# KiCad board impeller18.kicad_pcb (continued)
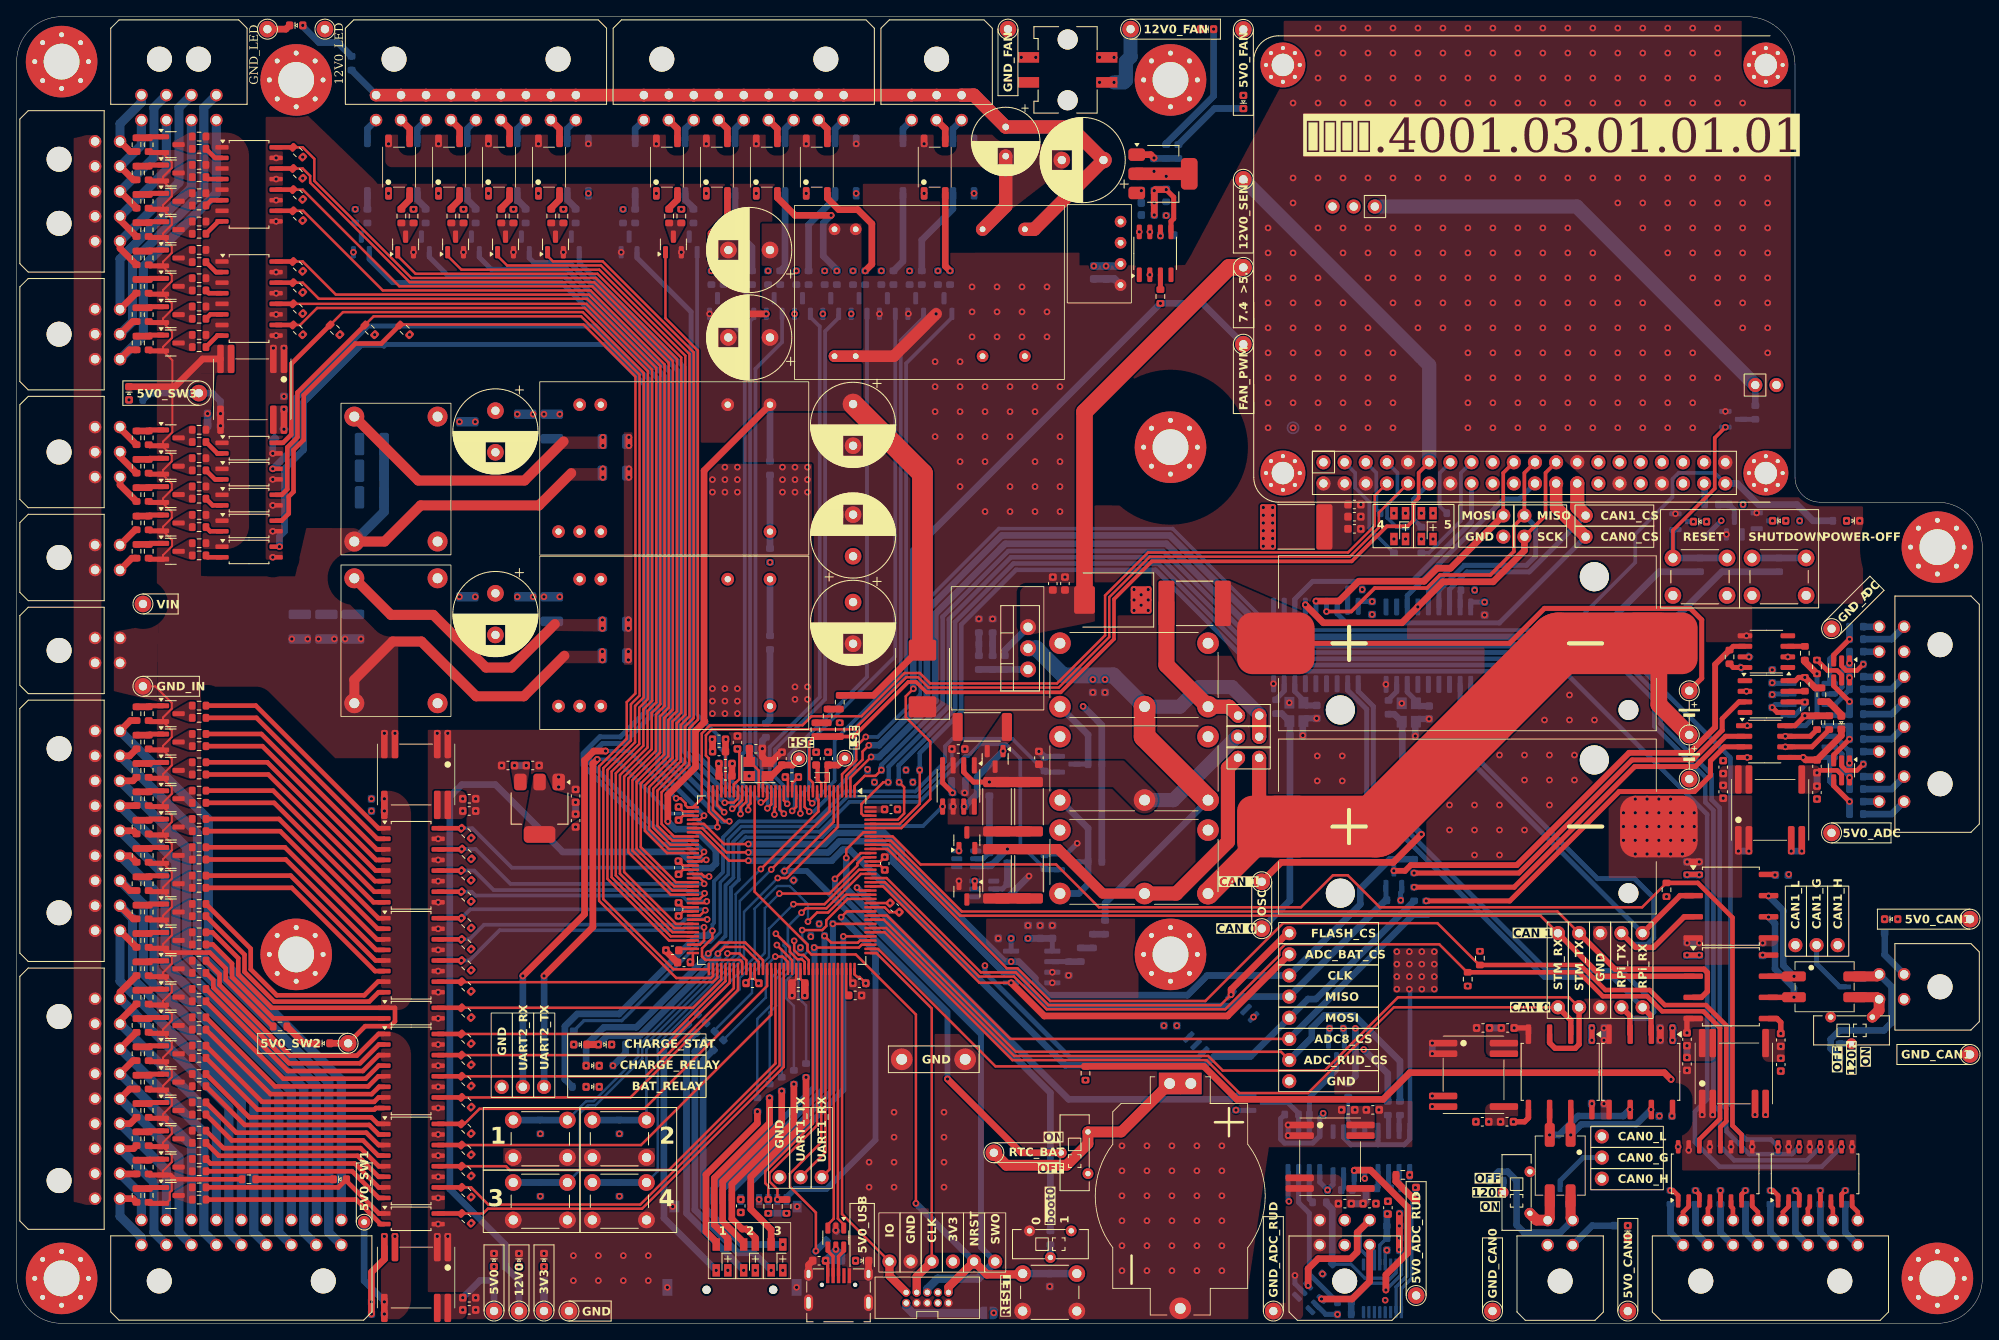
[diagram p0: board, top side]
## Placement (name value [footprint] x y rotation side) (continued)
R71  1M  [R_0603_1608Metric]  14.4 35.77 270 top
R72  1M  [R_0603_1608Metric]  14.4 66.4 270 top
R73  360k  [R_0603_1608Metric]  15.86 35.77 90 top
R74  10k  [R_0603_1608Metric]  54 31.62 315 top
R75  360k  [R_0603_1608Metric]  15.86 66.4 90 top
R76  10k  [R_0603_1608Metric]  54.04 56.37 315 top
R77  10k  [R_0603_1608Metric]  21.91 36.74 180 top
R78  10k  [R_0603_1608Metric]  21.91 67.37 180 top
R79  360  [R_0603_1608Metric]  21.91 35.28 0 top
R80  360  [R_0603_1608Metric]  21.91 65.9 0 top
R81  1M  [R_0603_1608Metric]  14.4 32.37 270 top
R82  1M  [R_0603_1608Metric]  14.4 63 270 top
R83  360k  [R_0603_1608Metric]  15.86 32.37 90 top
R84  10k  [R_0603_1608Metric]  54 29.08 315 top
R85  360k  [R_0603_1608Metric]  15.86 63 90 top
R86  10k  [R_0603_1608Metric]  54 53.78 315 top
R87  10k  [R_0603_1608Metric]  21.91 33.34 180 top
R88  10k  [R_0603_1608Metric]  21.91 63.96 180 top
R89  360  [R_0603_1608Metric]  21.91 31.87 0 top
R90  360  [R_0603_1608Metric]  21.91 62.5 0 top
R91  1M  [R_0603_1608Metric]  14.4 28.97 270 top
R92  1M  [R_0603_1608Metric]  14.4 59.59 270 top
R93  360k  [R_0603_1608Metric]  15.86 28.97 90 top
R94  10k  [R_0603_1608Metric]  54 26.54 315 top
R95  360k  [R_0603_1608Metric]  15.86 59.59 90 top
R96  10k  [R_0603_1608Metric]  54 51.24 315 top
R97  10k  [R_0603_1608Metric]  21.91 29.94 180 top
R98  10k  [R_0603_1608Metric]  21.91 60.56 180 top
R99  360  [R_0603_1608Metric]  21.91 28.47 0 top
R100  360  [R_0603_1608Metric]  21.91 59.1 0 top
R101  1M  [R_0603_1608Metric]  14.4 25.57 270 top
R102  1M  [R_0603_1608Metric]  14.4 56.19 270 top
R103  360k  [R_0603_1608Metric]  15.86 25.57 90 top
R104  10k  [R_0603_1608Metric]  54 23.36 315 top
R105  360k  [R_0603_1608Metric]  15.86 56.19 90 top
R106  10k  [R_0603_1608Metric]  54 48.06 315 top
R107  10k  [R_0603_1608Metric]  21.91 26.54 180 top
R108  10k  [R_0603_1608Metric]  21.91 57.16 180 top
R109  360  [R_0603_1608Metric]  21.91 25.07 0 top
R110  360  [R_0603_1608Metric]  21.91 55.7 0 top
R111  1M  [R_0603_1608Metric]  14.4 22.17 270 top
R112  1M  [R_0603_1608Metric]  14.4 52.79 270 top
R113  360k  [R_0603_1608Metric]  15.86 22.17 90 top
R114  10k  [R_0603_1608Metric]  54 20.82 315 top
R115  360k  [R_0603_1608Metric]  15.86 52.79 90 top
R116  10k  [R_0603_1608Metric]  54 45.52 315 top
R117  10k  [R_0603_1608Metric]  21.91 23.13 180 top
R118  10k  [R_0603_1608Metric]  21.91 53.76 180 top
R119  360  [R_0603_1608Metric]  21.91 21.67 0 top
R120  360  [R_0603_1608Metric]  21.91 52.29 0 top
R121  1M  [R_0603_1608Metric]  14.4 18.76 270 top
R122  1M  [R_0603_1608Metric]  14.4 49.39 270 top
R123  360k  [R_0603_1608Metric]  15.86 18.76 90 top
R124  10k  [R_0603_1608Metric]  54 18.28 315 top
R125  360k  [R_0603_1608Metric]  15.86 49.39 90 top
R126  10k  [R_0603_1608Metric]  54 42.98 315 top
R127  10k  [R_0603_1608Metric]  21.91 19.73 180 top
R128  10k  [R_0603_1608Metric]  21.91 50.36 180 top
R129  360  [R_0603_1608Metric]  21.91 18.27 0 top
R130  360  [R_0603_1608Metric]  21.91 48.89 0 top
R131  1M  [R_0603_1608Metric]  14.4 15.36 270 top
R132  1M  [R_0603_1608Metric]  14.4 45.99 270 top
R133  360k  [R_0603_1608Metric]  15.86 15.36 90 top
R134  10k  [R_0603_1608Metric]  54 15.74 315 top
R135  360k  [R_0603_1608Metric]  15.86 45.99 90 top
R136  10k  [R_0603_1608Metric]  54 40.44 315 top
R137  10k  [R_0603_1608Metric]  21.91 16.33 180 top
R138  10k  [R_0603_1608Metric]  21.91 46.95 180 top
R139  360  [R_0603_1608Metric]  21.91 14.86 0 top
R140  360  [R_0603_1608Metric]  21.91 45.49 0 top
R141  10k  [R_0603_1608Metric]  54 12.6 315 top
R142  10k  [R_0603_1608Metric]  54 37.3 315 top
R143  360  [R_0603_1608Metric]  27.89 17.3 0 top
R144  360  [R_0603_1608Metric]  31.63 35.65 0 top
R145  1M  [R_0603_1608Metric]  14.4 141.53 270 top
R146  360k  [R_0603_1608Metric]  15.86 141.53 90 top
R147  10k  [R_0603_1608Metric]  21.91 142.5 180 top
R148  360  [R_0603_1608Metric]  21.91 141.03 0 top
R149  1M  [R_0603_1608Metric]  14.4 138.13 270 top
R150  360k  [R_0603_1608Metric]  15.86 138.13 90 top
R151  10k  [R_0603_1608Metric]  33.77 140.62 315 top
R152  10k  [R_0603_1608Metric]  21.91 139.1 180 top
R153  360  [R_0603_1608Metric]  21.91 137.63 0 top
R154  1M  [R_0603_1608Metric]  14.4 134.73 270 top
R155  360k  [R_0603_1608Metric]  15.86 134.73 90 top
R156  10k  [R_0603_1608Metric]  33.77 138.08 315 top
R157  10k  [R_0603_1608Metric]  21.91 135.7 180 top
R158  360  [R_0603_1608Metric]  21.91 134.23 0 top
R159  1M  [R_0603_1608Metric]  14.4 131.33 270 top
R160  360k  [R_0603_1608Metric]  15.86 131.33 90 top
R161  10k  [R_0603_1608Metric]  33.77 135.54 315 top
R162  10k  [R_0603_1608Metric]  21.91 132.3 180 top
R163  360  [R_0603_1608Metric]  21.91 130.83 0 top
R164  1M  [R_0603_1608Metric]  14.4 127.93 270 top
R165  360k  [R_0603_1608Metric]  15.86 127.93 90 top
R166  10k  [R_0603_1608Metric]  33.77 133 315 top
R167  10k  [R_0603_1608Metric]  21.91 128.89 180 top
R168  360  [R_0603_1608Metric]  14.32 110.89 0 bottom
R169  360  [R_0603_1608Metric]  21.91 127.43 0 top
R170  1M  [R_0603_1608Metric]  14.4 124.52 270 top
R171  360k  [R_0603_1608Metric]  15.86 124.52 90 top
R172  10k  [R_0603_1608Metric]  33.77 126.92 315 top
R173  10k  [R_0603_1608Metric]  21.91 125.49 180 top
R174  360  [R_0603_1608Metric]  21.91 124.03 0 top
R175  1M  [R_0603_1608Metric]  14.4 121.12 270 top
R176  360k  [R_0603_1608Metric]  15.86 121.12 90 top
R177  10k  [R_0603_1608Metric]  33.77 124.38 315 top
R178  10k  [R_0603_1608Metric]  21.91 122.09 180 top
R179  360  [R_0603_1608Metric]  21.91 120.62 0 top
R180  1M  [R_0603_1608Metric]  14.4 117.72 270 top
R181  360k  [R_0603_1608Metric]  15.86 117.72 90 top
R182  10k  [R_0603_1608Metric]  33.77 121.84 315 top
R183  10k  [R_0603_1608Metric]  21.91 118.68 180 top
R184  360  [R_0603_1608Metric]  21.91 117.22 0 top
R185  10k  [R_0603_1608Metric]  33.77 119.3 315 top
R186  1M  [R_0603_1608Metric]  14.4 96.11 270 top
R187  360k  [R_0603_1608Metric]  15.86 96.11 90 top
R188  10k  [R_0603_1608Metric]  21.91 97.07 180 top
R189  360  [R_0603_1608Metric]  21.91 95.61 0 top
R190  1M  [R_0603_1608Metric]  14.4 92.7 270 top
R191  360k  [R_0603_1608Metric]  15.86 92.7 90 top
R192  10k  [R_0603_1608Metric]  46.6 119.3 315 top
R193  10k  [R_0603_1608Metric]  21.91 93.67 180 top
R194  360  [R_0603_1608Metric]  21.91 92.21 0 top
R195  10k  [R_0603_1608Metric]  43.58 118.13 135 bottom
R196  1M  [R_0603_1608Metric]  14.4 99.52 270 top
R197  360k  [R_0603_1608Metric]  15.86 99.52 90 top
R198  10k  [R_0603_1608Metric]  21.91 100.49 180 top
R199  360  [R_0603_1608Metric]  21.91 99.02 0 top
R200  1M  [R_0603_1608Metric]  14.4 102.92 270 top
R201  360k  [R_0603_1608Metric]  15.86 102.92 90 top
R202  10k  [R_0603_1608Metric]  42.42 119.3 315 top
R203  10k  [R_0603_1608Metric]  21.91 103.89 180 top
R204  360  [R_0603_1608Metric]  21.91 102.42 0 top
R205  1M  [R_0603_1608Metric]  14.4 106.32 270 top
R206  360k  [R_0603_1608Metric]  15.86 106.32 90 top
R207  10k  [R_0603_1608Metric]  39.4 118.13 135 bottom
R208  10k  [R_0603_1608Metric]  21.91 107.29 180 top
R209  360  [R_0603_1608Metric]  21.91 105.83 0 top
R210  10k  [R_0603_1608Metric]  38.23 119.3 315 top
R211  10k  [R_0603_1608Metric]  40.66 132.95 270 bottom
R212  220  [R_0603_1608Metric]  42.12 132.95 90 bottom
R213  10k  [R_0603_1608Metric]  72.82 132.95 270 bottom
R214  10k  [R_0603_1608Metric]  103.84 125.55 270 bottom
R215  220  [R_0603_1608Metric]  74.28 132.95 90 bottom
R216  10k  [R_0603_1608Metric]  47.66 132.95 270 top
R217  220  [R_0603_1608Metric]  105.3 125.55 90 bottom
R218  220  [R_0603_1608Metric]  46.2 132.95 90 top
R219  10k  [R_0603_1608Metric]  79.82 132.95 270 top
R220  10k  [R_0603_1608Metric]  110.64 125.55 270 bottom
R221  220  [R_0603_1608Metric]  78.36 132.95 90 top
R222  10k  [R_0603_1608Metric]  47.66 132.95 270 bottom
R223  220  [R_0603_1608Metric]  112.1 125.55 90 bottom
R224  220  [R_0603_1608Metric]  49.12 132.95 90 bottom
R225  10k  [R_0603_1608Metric]  79.82 132.95 270 bottom
R226  10k  [R_0603_1608Metric]  107.24 125.55 270 bottom
R227  220  [R_0603_1608Metric]  81.28 132.95 90 bottom
R228  10k  [R_0603_1608Metric]  53.66 132.95 270 top
R229  220  [R_0603_1608Metric]  108.7 125.55 90 bottom
R230  220  [R_0603_1608Metric]  52.2 132.95 90 top
R231  10k  [R_0603_1608Metric]  83.44 125.55 270 bottom
R232  220  [R_0603_1608Metric]  84.9 125.55 90 bottom
R233  10k  [R_0603_1608Metric]  53.66 132.95 270 bottom
R234  220  [R_0603_1608Metric]  55.12 132.95 90 bottom
R235  10k  [R_0603_1608Metric]  86.84 125.55 270 bottom
R236  220  [R_0603_1608Metric]  88.3 125.55 90 bottom
R237  10k  [R_0603_1608Metric]  59.66 132.95 270 top
R238  220  [R_0603_1608Metric]  58.2 132.95 90 top
R239  10k  [R_0603_1608Metric]  97.04 125.55 270 bottom
R240  220  [R_0603_1608Metric]  98.5 125.55 90 bottom
R241  10k  [R_0603_1608Metric]  59.66 132.95 270 bottom
R242  220  [R_0603_1608Metric]  61.12 132.95 90 bottom
R243  10k  [R_0603_1608Metric]  90.24 125.55 270 bottom
R244  220  [R_0603_1608Metric]  91.7 125.55 90 bottom
R245  10k  [R_0603_1608Metric]  65.66 132.95 270 top
R246  220  [R_0603_1608Metric]  64.2 132.95 90 top
R247  10k  [R_0603_1608Metric]  100.44 125.55 270 bottom
R248  220  [R_0603_1608Metric]  101.9 125.55 90 bottom
R249  10k  [R_0603_1608Metric]  65.66 132.95 270 bottom
R250  220  [R_0603_1608Metric]  67.12 132.95 90 bottom
R251  10k  [R_0603_1608Metric]  93.64 125.55 270 bottom
R252  220  [R_0603_1608Metric]  95.1 125.55 90 bottom
R253  470  [R_0603_1608Metric]  40.21 151.32 90 bottom
R254  360  [R_0603_1608Metric]  216.74 75.47 90 top
R255  1k  [R_0603_1608Metric]  214.76 73.78 270 top
R256  1k  [R_0603_1608Metric]  216.21 78.82 90 top
R257  1k  [R_0603_1608Metric]  216.22 72.13 90 top
R258  1k  [R_0603_1608Metric]  217.68 72.13 90 top
R259  10k  [R_0603_1608Metric]  214.75 76.74 270 top
R260  180  [R_0603_1608Metric]  167.83 54.9 90 bottom
R261  180  [R_0603_1608Metric]  167.83 51.55 270 bottom
R262  180  [R_0603_1608Metric]  169.29 49.9 90 bottom
R263  1M  [R_0603_1608Metric]  220.95 65.65 180 bottom
R264  1M  [R_0603_1608Metric]  220.95 71.65 180 bottom
R265  1M  [R_0603_1608Metric]  220.95 77.65 180 bottom
R266  1M  [R_0603_1608Metric]  220.95 83.65 180 bottom
R267  1M  [R_0603_1608Metric]  220.95 80.65 180 bottom
R268  1M  [R_0603_1608Metric]  220.95 74.65 180 bottom
R269  1M  [R_0603_1608Metric]  220.95 68.65 180 bottom
R270  1M  [R_0603_1608Metric]  220.95 62.65 180 bottom
R271  200k  [R_0603_1608Metric]  220.95 64.15 0 bottom
R272  200k  [R_0603_1608Metric]  220.95 70.15 0 bottom
R273  200k  [R_0603_1608Metric]  220.95 76.15 0 bottom
R274  200k  [R_0603_1608Metric]  220.95 82.15 0 bottom
R275  200k  [R_0603_1608Metric]  220.95 79.15 0 bottom
R276  200k  [R_0603_1608Metric]  220.95 73.15 0 bottom
R277  200k  [R_0603_1608Metric]  220.95 67.15 0 bottom
R278  200k  [R_0603_1608Metric]  220.95 61.15 0 bottom
R279  10k  [R_0603_1608Metric]  207.56 79.39 53.2 bottom
R280  10k  [R_0603_1608Metric]  205.71 80.02 90 top
R281  10k  [R_0603_1608Metric]  165.39 50.8 180 bottom
R282  470  [R_0603_1608Metric]  214.75 80.47 270 top
R283  360  [R_0603_1608Metric]  166.48 17.82 180 top
R284  1k  [R_0603_1608Metric]  167.16 16.21 0 bottom
R285  1k  [R_0603_1608Metric]  159.45 1.07 180 bottom
R286  1k  [R_0603_1608Metric]  161.22 16.01 0 bottom
R287  1k  [R_0603_1608Metric]  164.18 16.21 180 bottom
R288  1k  [R_0603_1608Metric]  157.41 6.53 225 bottom
R289  10k  [R_0603_1608Metric]  158.26 16.01 180 bottom
R290  180  [R_0603_1608Metric]  159.91 27.99 270 bottom
R291  180  [R_0603_1608Metric]  164.67 25.82 90 bottom
R292  180  [R_0603_1608Metric]  166.13 25.82 270 bottom
R293  10k  [R_0603_1608Metric]  156.08 25.07 180 bottom
R294  10k  [R_0603_1608Metric]  158.5 35.42 0 bottom
R295  360  [R_0603_1608Metric]  156.46 14.53 0 bottom
R296  10k  [R_0603_1608Metric]  153.12 25.07 0 bottom
R297  10k  [R_0603_1608Metric]  146.44 26.43 90 bottom
R298  360  [R_0603_1608Metric]  159.45 2.53 180 bottom
R299  390  [R_0603_1608Metric]  219.62 15.13 90 bottom
R300  10k  [R_0603_1608Metric]  107.63 66.44 180 bottom
R301  390  [R_0603_1608Metric]  216.62 15.13 90 bottom
R302  10k  [R_0603_1608Metric]  106.81 64.98 0 bottom
R303  390  [R_0603_1608Metric]  213.62 15.13 90 bottom
R304  10k  [R_0603_1608Metric]  103.85 64.98 180 bottom
R305  390  [R_0603_1608Metric]  210.62 15.13 90 bottom
R306  10k  [R_0603_1608Metric]  103.02 66.44 180 bottom
R307  390  [R_0603_1608Metric]  207.62 15.13 90 bottom
R308  10k  [R_0603_1608Metric]  198.14 52.06 270 top
R309  390  [R_0603_1608Metric]  204.62 15.13 90 bottom
R310  10k  [R_0603_1608Metric]  175.73 43.85 90 top
R311  390  [R_0603_1608Metric]  201.62 15.13 90 bottom
R312  10k  [R_0603_1608Metric]  174.27 41.33 270 top
R313  390  [R_0603_1608Metric]  198.62 15.13 90 bottom
R314  10k  [R_0603_1608Metric]  128.36 30.03 270 top
R315  220  [R_0603_1608Metric]  90.42 27.9 90 bottom
R316  220  [R_0603_1608Metric]  84.28 33.42 45 bottom
R317  220  [R_0603_1608Metric]  88.96 26.25 90 bottom
R318  220  [R_0603_1608Metric]  94.8 30.37 90 bottom
R319  10k  [R_0603_1608Metric]  102.56 41.42 45 bottom
R320  10k  [R_0603_1608Metric]  92.46 14.04 90 top
R321  10k  [R_0603_1608Metric]  90.27 14.04 90 top
R322  10k  [R_0603_1608Metric]  97.2 47.97 0 bottom
R323  10k  [R_0603_1608Metric]  96.2 46.51 0 bottom
R324  10k  [R_0603_1608Metric]  94.95 45.05 0 bottom
R325  220  [R_0603_1608Metric]  81.18 36.52 45 bottom
R326  220  [R_0603_1608Metric]  83.25 34.46 45 bottom
R327  220  [R_0603_1608Metric]  93.34 29.55 90 bottom
R329  220  [R_0603_1608Metric]  91.88 28.72 90 bottom
R331  220  [R_0603_1608Metric]  82.22 35.49 45 bottom
R333  10k  [R_0603_1608Metric]  96.57 8.1 135 bottom
R334  10k  [R_0603_1608Metric]  97.85 10.54 45 bottom
R335  10k  [R_0603_1608Metric]  138.06 133.85 90 bottom
R336  10k  [R_0603_1608Metric]  138.19 130.66 0 bottom
R337  220  [R_0603_1608Metric]  137.36 123.3 90 top
R338  470  [R_0603_1608Metric]  138.06 140.71 90 bottom
R339  360  [R_0603_1608Metric]  139.52 140.71 90 bottom
R340  220  [R_0603_1608Metric]  70.79 30.94 0 bottom
R341  220  [R_0603_1608Metric]  67.56 28.4 0 bottom
R342  360  [R_0603_1608Metric]  99.93 7.52 180 bottom
R343  10k  [R_0603_1608Metric]  202.16 91.07 90 bottom
R344  220  [R_0603_1608Metric]  218.94 96.36 0 bottom
R345  220  [R_0603_1608Metric]  202.95 95.44 90 bottom
R346  0  [R_0603_1608Metric]  115.56 83.76 90 bottom
R347  100  [R_0603_1608Metric]  208.8 109.38 270 bottom
R348  DNP  [R_0603_1608Metric]  117.21 79.34 90 bottom
R349  10k  [R_0603_1608Metric]  211.66 91.07 90 bottom
R350  220  [R_0603_1608Metric]  213.31 96.36 180 bottom
R351  DNP  [R_0603_1608Metric]  117.21 83.76 90 bottom
R352  DNP  [R_0603_1608Metric]  116.38 81.55 180 bottom
R353  100  [R_0603_1608Metric]  203.55 98.32 0 bottom
R354  10k  [R_0603_1608Metric]  206.51 98.32 0 bottom
SW1  B3F1060  [SW_PUSH_6mm_H5mm]  120.82 5.97 0 top
SW2  -  [MSS-12D16]  124.15 9.51 270 top
SW3  -  [MSS-12D16]  127.06 20.48 180 top
SW4  B3F1060  [SW_PUSH_6mm_H5mm]  59.64 24.41 0 top
SW5  B3F1060  [SW_PUSH_6mm_H5mm]  69.14 24.41 0 top
SW6  B3F1060  [SW_PUSH_6mm_H5mm]  59.64 16.91 0 top
SW7  B3F1060  [SW_PUSH_6mm_H5mm]  69.14 16.91 0 top
SW8  -  [MSS-12D16]  180.14 15.71 180 top
SW9  -  [MSS-12D16]  220.36 35.18 270 top
SW11  B3F1060  [SW_PUSH_6mm_H5mm]  198.91 91.9 0 top
SW13  B3F1060  [SW_PUSH_6mm_H5mm]  208.41 91.9 0 top
TP1  TestPoint  [TestPoint_THTPad_D1.5mm_Drill0.7mm]  99.47 67.86 180 top
TP2  TestPoint  [TestPoint_THTPad_D1.5mm_Drill0.7mm]  93.96 67.81 180 top
TP3  TestPoint  [TestPoint_THTPad_D2.0mm_Drill1.0mm]  117.36 20.48 0 top
TP4  TestPoint  [TestPoint_THTPad_D2.0mm_Drill1.0mm]  15.17 86.38 270 top
TP5  TestPoint  [TestPoint_THTPad_D2.0mm_Drill1.0mm]  60.33 1.47 0 top
TP6  TestPoint  [TestPoint_THTPad_D2.0mm_Drill1.0mm]  147.32 117.57 0 top
TP7  TestPoint  [TestPoint_THTPad_D2.0mm_Drill1.0mm]  57.33 1.47 0 top
TP8  TestPoint  [TestPoint_THTPad_D2.0mm_Drill1.0mm]  63.33 1.47 0 top
TP9  TestPoint  [TestPoint_THTPad_D2.0mm_Drill1.0mm]  15.17 76.49 270 top
TP12  TestPoint  [TestPoint_THTPad_D2.0mm_Drill1.0mm]  66.33 1.47 0 top
TP13  TestPoint  [TestPoint_Bridge_Pitch7.62mm_Drill1.3mm]  106.3 31.7 0 top
TP14  TestPoint  [TestPoint_THTPad_D2.0mm_Drill1.0mm]  200.87 75.95 270 top
TP15  TestPoint  [TestPoint_THTPad_D2.0mm_Drill1.0mm]  200.87 70.65 270 top
TP16  TestPoint  [TestPoint_THTPad_D2.0mm_Drill1.0mm]  200.87 65.35 270 top
TP17  TestPoint  [TestPoint_THTPad_D2.0mm_Drill1.0mm]  147.32 126.79 0 top
TP18  TestPoint  [TestPoint_THTPad_D2.0mm_Drill1.0mm]  149.53 47.39 270 top
TP19  TestPoint  [TestPoint_THTPad_D2.0mm_Drill1.0mm]  193.49 1.47 0 top
TP20  TestPoint  [TestPoint_THTPad_D2.0mm_Drill1.0mm]  177.24 1.47 0 top
TP21  TestPoint  [TestPoint_THTPad_D2.0mm_Drill1.0mm]  149.53 53.02 0 top
TP22  TestPoint  [TestPoint_THTPad_D2.0mm_Drill1.0mm]  234.6 48.53 270 top
TP24  TestPoint  [TestPoint_THTPad_D2.0mm_Drill1.0mm]  234.6 32.28 270 top
TP25  TestPoint  [TestPoint_THTPad_D1.5mm_Drill0.7mm]  41.74 12.15 270 top
TP26  TestPoint  [TestPoint_THTPad_D2.0mm_Drill1.0mm]  39.81 33.63 270 top
TP29  TestPoint  [TestPoint_THTPad_D2.0mm_Drill1.0mm]  21.88 111.7 270 top
TP31  TestPoint  [TestPoint_THTPad_D2.0mm_Drill1.0mm]  37.02 155.4 270 top
TP32  TestPoint  [TestPoint_THTPad_D2.0mm_Drill1.0mm]  30.13 155.4 270 top
TP33  TestPoint  [TestPoint_THTPad_D2.0mm_Drill1.0mm]  217.97 58.89 180 top
TP34  TestPoint  [TestPoint_THTPad_D2.0mm_Drill1.0mm]  217.97 83.42 180 top
TP35  TestPoint  [TestPoint_THTPad_D2.0mm_Drill1.0mm]  168.07 3.34 90 top
TP36  TestPoint  [TestPoint_THTPad_D2.0mm_Drill1.0mm]  150.92 1.47 90 top
TP37  TestPoint  [TestPoint_THTPad_D2.0mm_Drill1.0mm]  133.78 155.4 270 top
TP38  TestPoint  [TestPoint_THTPad_D2.0mm_Drill1.0mm]  147.32 155.36 270 top
TP39  TestPoint  [TestPoint_THTPad_D2.0mm_Drill1.0mm]  119.05 155.4 270 top
TP41  TestPoint  [TestPoint_THTPad_D2.0mm_Drill1.0mm]  147.32 137.37 0 top
U1  STM32F427ZGTx  [LQFP-144_20x20mm_P0.5mm]  91.88 53.22 270 top
U2  LDL1117S33R  [SOT-223-3_TabPin2]  62.8 61.85 270 top
U3  VDRI25W05  [VDRI25]  78.98 81.71 0 top
U4  VDRI15W12  [VDRI25]  78.98 102.66 0 top
U5  HY2213-BB3A  [SOT-23-6]  114.04 55.78 180 bottom
U6  bq2057WSN  [SOIC-8_3.9x4.9mm_P1.27mm]  113.11 64.53 270 top
U7  HY2213-BB3A  [SOT-23-6]  116.21 52.16 180 bottom
U8  LD1084V  [TO-220-3_Vertical_radiator]  121.46 78.52 90 top
U9  MCP3001-I/SN  [SOIC-8_3.9x4.9mm_P1.27mm]  121.91 42.8 180 bottom
U10  -  [ISO1050DUB]  185.37 30.2 270 top
U11  -  [ISO1050DUB]  195.05 30.2 270 top
U12  MCP2515-I/SO  [SOIC-18W_7.5x11.6mm_P1.27mm]  156.04 81.45 90 bottom
U13  -  [B0505MT-1WR4]  174.96 29.84 270 top
U14  -  [ISO1050DUB]  205.87 40.41 0 top
U15  -  [ISO1050DUB]  205.87 50.09 0 top
U16  MCP2515-I/SO  [SOIC-18W_7.5x11.6mm_P1.27mm]  169.54 81.38 90 bottom
U17  -  [B0505MT-1WR4]  206.23 30 0 top
U18  TLP291-4  [SOIC-16_4.55x10.3mm_P1.27mm]  47.37 30.3 0 top
U19  TLP291-4  [SOIC-16_4.55x10.3mm_P1.27mm]  47.37 55 0 top
U20  TLP291-4  [SOIC-16_4.55x10.3mm_P1.27mm]  47.37 19.5 0 top
U21  TLP291-4  [SOIC-16_4.55x10.3mm_P1.27mm]  47.37 44.2 0 top
U22  -  [TLP291]  47.37 12.55 0 top
U23  -  [TLP291]  47.37 37.25 0 top
U24  -  [B0505MT-1WR4]  47.97 5.5 180 top
U25  -  [B0505MT-1WR4]  47.97 65.9 180 top
U26  TLP291-4  [SOIC-16_4.55x10.3mm_P1.27mm]  27.91 136.76 0 top
U27  TLP291-4  [SOIC-16_4.55x10.3mm_P1.27mm]  27.91 123.05 0 top
U28  -  [B0505MT-1WR4]  28.29 112.15 180 top
U29  -  [TLP291]  27.91 95.74 0 top
U30  -  [TLP291]  27.91 92.62 0 top
U31  -  [TLP291]  27.91 98.85 0 top
U32  -  [TLP291]  27.91 101.97 0 top
U33  -  [TLP291]  27.91 105.09 0 top
U34  G3VM61VY2  [G3VM-61VY2TR]  43.39 138.83 90 bottom
U35  G3VM61VY2  [G3VM-61VY2TR]  75.55 138.83 90 bottom
U36  G3VM61VY2  [G3VM-61VY2TR]  107.71 138.83 90 bottom
U37  G3VM61VY2  [G3VM-61VY2TR]  45.93 138.83 90 top
U38  G3VM61VY2  [G3VM-61VY2TR]  78.09 138.83 90 top
U39  G3VM61VY2  [G3VM-61VY2TR]  110.25 138.83 90 top
U40  G3VM61VY2  [G3VM-61VY2TR]  49.39 138.83 90 bottom
U41  G3VM61VY2  [G3VM-61VY2TR]  81.55 138.83 90 bottom
U42  G3VM61VY2  [G3VM-61VY2TR]  113.71 138.83 90 bottom
U43  G3VM61VY2  [G3VM-61VY2TR]  51.93 138.83 90 top
U44  G3VM61VY2  [G3VM-61VY2TR]  84.09 138.83 90 top
U45  G3VM61VY2  [G3VM-61VY2TR]  55.39 138.83 90 bottom
U46  G3VM61VY2  [G3VM-61VY2TR]  87.55 138.83 90 bottom
U47  G3VM61VY2  [G3VM-61VY2TR]  57.93 138.83 90 top
U48  G3VM61VY2  [G3VM-61VY2TR]  90.09 138.83 90 top
U49  G3VM61VY2  [G3VM-61VY2TR]  61.39 138.83 90 bottom
U50  G3VM61VY2  [G3VM-61VY2TR]  93.55 138.83 90 bottom
U51  G3VM61VY2  [G3VM-61VY2TR]  63.93 138.83 90 top
U52  G3VM61VY2  [G3VM-61VY2TR]  96.09 138.83 90 top
U53  G3VM61VY2  [G3VM-61VY2TR]  67.39 138.83 90 bottom
U54  G3VM61VY2  [G3VM-61VY2TR]  99.55 138.83 90 bottom
U55  -  [SCWN06A-12]  109.63 123.78 0 top
U56  -  [B0505MT-1WR4]  210.58 61.66 0 top
U57  HCPL-0600  [SO-8_3.9x4.9mm_P1.27mm]  210.14 75.26 0 top
U58  MCP3008  [SOIC-16_3.9x9.9mm_P1.27mm]  215.27 72.4 180 bottom
U59  HCPL-0630  [SOIC-8_3.9x4.9mm_P1.27mm]  209.94 69.86 0 top
U60  IP4220  [SOT-23-6]  219.17 78.4 270 top
U61  HCPL-0600  [SO-8_3.9x4.9mm_P1.27mm]  210.14 80.66 180 top
U62  IP4220  [SOT-23-6]  219.17 66.4 270 top
U63  -  [B0505MT-1WR4]  157.74 20 270 top
U64  HCPL-0600  [SO-8_3.9x4.9mm_P1.27mm]  160 20.44 270 bottom
U65  ADS1120-PW  [TSSOP-16_4.4x5mm_P0.65mm]  164.03 4.2 90 bottom
U66  HCPL-0630  [SOIC-8_3.9x4.9mm_P1.27mm]  165.4 20.64 270 bottom
U67  IP4220  [SOT-23-6]  155.23 3.06 315 bottom
U68  HCPL-0630  [SOIC-8_3.9x4.9mm_P1.27mm]  154.6 20.64 90 bottom
U69  TLP291-4  [SOIC-16_4.55x10.3mm_P1.27mm]  215.99 17.95 90 top
U70  TLP291-4  [SOIC-16_4.55x10.3mm_P1.27mm]  203.99 17.95 90 top
U71  W25Q128FVSIG  [SOIC-8_5.23x5.23mm_P1.27mm]  144.65 35.58 225 bottom
U72  USBLC6-2SC6  [SOT-23-6]  98.38 10.3 270 top
U73  HCPL-0600  [SO-8_3.9x4.9mm_P1.27mm]  136.73 128.48 90 top
U74  LDL1117S50R  [SOT-223-3_TabPin2]  137.67 138.03 0 top
U75  -  [SMU02M-12]  130.03 128.43 270 top
Y1  X322516MLB4SI  [Crystal_SMD_3225-4Pin_3.2x2.5mm]  89.08 66.57 0 top
Y2  -  [KSE-7K32768KDY2400A3]  96.74 65.54 0 top
Y3  X322516MLB4SI  [Crystal_SMD_3225-4Pin_3.2x2.5mm]  153.69 73.42 270 bottom
Y4  X322516MLB4SI  [Crystal_SMD_3225-4Pin_3.2x2.5mm]  167.19 73.35 270 bottom

## Library data of the parts
BT1 = -: Ссылка: https://www.promelec.ru/product/569951/; Цена: 31; Человекопонятное название: Держатель батареи CR2032; Мин. кол-во: 1
BT2 BT3 = -: Description: Single-cell battery
C1 C2 = -: Мин. кол-во: 10; Ссылка: https://www.chipdip.ru/product/grm188r61a225k; Цена: 13; Человекопонятное название: Конденсатор керамический smd 2.2мкФ; ki_fp_filters: C_*
C3 = -: Description: Unpolarized capacitor, small symbol; Мин. кол-во: 200; Ссылка: https://www.promelec.ru/product/315964/; Цена: 4; Человекопонятное название: Керамический ЧИП-конденсатор 0603 X5R 4.7мкФ; ki_fp_filters: C_*
C4-C16 C18 C20 C52 C55 C61 C63 C92 C112 C113 C126 = -: Description: Unpolarized capacitor, small symbol; Мин. кол-во: 300; Ссылка: https://www.promelec.ru/product/323633/; Цена: 2; Человекопонятное название: Керамический ЧИП-конденсатор 0603 X7R 0.1мкФ; ki_fp_filters: C_*
C17 C19 C64 C68 C77 C81 C91 = -: Description: Unpolarized capacitor, small symbol; Мин. кол-во: 200; Ссылка: https://www.promelec.ru/product/334556/; Цена: 1; Человекопонятное название: Керамический ЧИП-конденсатор 0603 X7R 1мкФ; ki_fp_filters: C_*
C21 C25 = -: Мин. кол-во: 500; Ссылка: https://www.promelec.ru/product/428876/; Цена: 1; Человекопонятное название: Керамический ЧИП-конденсатор 0603 NP0 8пФ; ki_fp_filters: C_*
C22 C24 = -: Ссылка: https://www.chipdip.ru/product/grm1885c1h150j; Цена: 7; Человекопонятное название: Конденсатор керамический smd 15пФ; Мин. кол-во: 10; ki_fp_filters: C_*
C23 C118 C120 C122-C124 = -: Мин. кол-во: 300; Ссылка: https://www.promelec.ru/product/323633/; Цена: 2; Человекопонятное название: Керамический ЧИП-конденсатор 0603 X7R 0.1мкФ; ki_fp_filters: C_*
C26 C40 C41 C51 = -: Description: Unpolarized capacitor, small symbol; Мин. кол-во: 200; Ссылка: https://www.promelec.ru/product/127179/; Цена: 3; Человекопонятное название: Керамический ЧИП-конденсатор 1206 X7R 4700пФ; ki_fp_filters: C_*
C27 C65 C69 C78 C82 C129 = -: Ссылка: https://www.promelec.ru/product/334556/; Цена: 1; Человекопонятное название: Керамический ЧИП-конденсатор 0603 X7R 1мкФ; Мин. кол-во: 200; ki_fp_filters: C_*
C28 C30 C66 C67 C70 C73 C76 C79 C80 C83 C86 C89 C93 C96 C97 C100 C101 C104 C108 C111 C114 C117 C130 C132 = -: Ссылка: https://www.promelec.ru/product/323633/; Цена: 2; Человекопонятное название: Керамический ЧИП-конденсатор 0603 X7R 0.1мкФ; Мин. кол-во: 300; ki_fp_filters: C_*
C29 C131 = -: Ссылка: https://www.promelec.ru/product/315964/; Цена: 4; Человекопонятное название: Керамический ЧИП-конденсатор 0603 X5R 4.7мкФ; Мин. кол-во: 200; ki_fp_filters: C_*
C31-C35 C37 = -: Description: Unpolarized capacitor, small symbol; Мин. кол-во: 19; Ссылка: https://www.promelec.ru/product/343475/; Цена: 27; Человекопонятное название: Керамический ЧИП-конденсатор 1210 X7S 10мкФ; ki_fp_filters: C_*
C36 C47 C49 C105 C106 = -: Description: Polarized capacitor, small symbol; Мин. кол-во: 10; Ссылка: https://www.promelec.ru/product/601218/; Цена: 52; Человекопонятное название: конденсатор алюминиевый электролитический 47мкф 100в; ki_fp_filters: CP_*
C38 = -: Description: Polarized capacitor, small symbol; Мин. кол-во: 2; Ссылка: https://www.promelec.ru/product/125292/; Цена: 5; Человекопонятное название: Конденсатор алюминиевый электролитический 68мкФ 63В; ki_fp_filters: CP_*
C39 C50 = -: Description: Polarized capacitor, small symbol; Мин. кол-во: 10; Ссылка: https://www.promelec.ru/product/381510/; Цена: 51; Человекопонятное название: Конденсатор алюминиевый электролитический 10мкФ 250В; ki_fp_filters: CP_*
C42-C46 C48 = -: Description: Unpolarized capacitor, small symbol; Мин. кол-во: 17; Ссылка: https://www.promelec.ru/product/384583/; Цена: 29; Человекопонятное название: Керамический ЧИП-конденсатор 1210 X7S 4.7мкФ; ki_fp_filters: C_*
C53 C54 = -: Description: Polarized capacitor, small symbol; Мин. кол-во: 300; Ссылка: https://www.promelec.ru/product/323633/; Цена: 2; Человекопонятное название: Керамический ЧИП-конденсатор 0603 X7R 0.1мкФ; ki_fp_filters: CP_*
C56 C59 C125 C128 = -: Description: Unpolarized capacitor, small symbol; Ссылка: https://www.promelec.ru/product/315964/; Цена: 4; Человекопонятное название: Керамический ЧИП-конденсатор 0603 X5R 4.7мкФ; Мин. кол-во: 200; ki_fp_filters: C_*
C57 C58 C90 = -: Description: Unpolarized capacitor, small symbol; Мин. кол-во: 200; Ссылка: https://www.promelec.ru/product/430347/; Цена: 4; Человекопонятное название: Керамический ЧИП-конденсатор 0603 X5R 10мкФ; ki_fp_filters: C_*
C60 C74 C75 C87 C88 C94 C95 C98 C99 C102 C103 C109 C110 C115 C116 = -: Ссылка: https://www.promelec.ru/product/430347/; Цена: 4; Человекопонятное название: Керамический ЧИП-конденсатор 0603 X5R 10мкФ; Мин. кол-во: 200; ki_fp_filters: C_*
C62 = -: Description: Unpolarized capacitor, small symbol; Ссылка: https://www.promelec.ru/product/334556/; Цена: 1; Человекопонятное название: Керамический ЧИП-конденсатор 0603 X7R 1мкФ; Мин. кол-во: 200; ki_fp_filters: C_*
C71 C72 C84 C85 = -: Description: Unpolarized capacitor, small symbol; Мин. кол-во: 300; Ссылка: https://www.promelec.ru/product/199351/; Цена: 2; Человекопонятное название: Керамический ЧИП-конденсатор 0603 NP0 22пФ ±5%; ki_fp_filters: C_*
C107 = -: Description: Polarized capacitor, small symbol; Мин. кол-во: 16; Ссылка: https://www.promelec.ru/product/367658/; Цена: 33; Человекопонятное название: Конденсатор алюминиевый электролитический 100мкФ 50В; ki_fp_filters: CP_*
C119 = -: Мин. кол-во: 500; Ссылка: https://www.promelec.ru/product/327806/; Цена: 2; Человекопонятное название: Керамический ЧИП-конденсатор 0603; ki_fp_filters: C_*
C121 = -: Мин. кол-во: 200; Ссылка: https://www.promelec.ru/product/334556/; Цена: 1; Человекопонятное название: Керамический ЧИП-конденсатор 0603 X7R 1мкФ; ki_fp_filters: C_*
D1-D3 D5 D6 D9 D11 D14-D19 D24-D31 = -: Description: Light emitting diode; Мин. кол-во: 3; Ссылка: https://www.promelec.ru/product/324327/; Цена: 5; Человекопонятное название: Светодиод smd 1,6х0,8мм/зеленый/568нм/65мкд/прозрачный/130°; ki_fp_filters: LED* LED_SMD:* LED_THT:*
D4 D7 = -: Description: Diode; Sim.Device: D; Sim.Pins: 1=K 2=A; Мин. кол-во: 1; Ссылка: https://www.promelec.ru/product/535278/; Цена: 6; Человекопонятное название: Диод Шоттки 40V 5А; ki_fp_filters: TO-???* *_Diode_* *SingleDiode* D_*
D8 D10 = -: Ссылка: https://www.chipdip.ru/product/pesd1can.215; Цена: 87; Человекопонятное название: Защитный диод от ESD для CAN шины; Мин. кол-во: 1; ki_fp_filters: SOT?143*
D12 D13 D20-D22 = -: Description: RGB LED, red/green/blue/anode; Мин. кол-во: 2; Ссылка: https://www.promelec.ru/product/337147/; Цена: 8; Человекопонятное название: Светодиод smd 3,5х2,8мм/красный/625нм/200мкд - зеленый/520нм/800мкд - синий/470нм/250мкд/прозрачный/120°; ki_fp_filters: LED* LED_SMD:* LED_THT:*
F1 F2 = -: Description: Resettable fuse, polymeric positive temperature coefficient, small symbol; Мин. кол-во: 1; Ссылка: https://www.promelec.ru/product/465739/; Цена: 28; Человекопонятное название: Самовосстанавливающийся предохранитель; ki_fp_filters: *polyfuse* *PTC*
H1-H13 = -: Description: Mounting Hole without connection; ki_fp_filters: MountingHole*
J1 = -: Description: Generic connector, single row, 01x06, script generated (kicad-library-utils/schlib/autogen/connector/); ki_fp_filters: Connector*:*_1x??_*
J2 = -: Description: Generic connector, double row, 02x05, odd/even pin numbering scheme (row 1 odd numbers, row 2 even numbers), script generated (kicad-library-utils/schlib/autogen/connector/); Мин. кол-во: 1; Ссылка: https://energoflot.ru/item/C3503-10SGB000R+BH1%2C27-10-G; Цена: 97; Человекопонятное название: Разъем штыревой 1x05 1.27x1.27; ki_fp_filters: Connector*:*_2x??_*
J3 J5 J11 J14 J36 = -: Description: Generic connector, single row, 01x03, script generated (kicad-library-utils/schlib/autogen/connector/); ki_fp_filters: Connector*:*_1x??_*
J4 = -: Description: Generic connector, single row, 01x08, script generated (kicad-library-utils/schlib/autogen/connector/); ki_fp_filters: Connector*:*_1x??_*
J6 J10 J13 J24 = -: Description: Generic connector, double row, 02x02, odd/even pin numbering scheme (row 1 odd numbers, row 2 even numbers), script generated (kicad-library-utils/schlib/autogen/connector/); Мин. кол-во: 8; Ссылка: https://www.promelec.ru/product/347522/; Цена: 64; Человекопонятное название: Разъем типа провод-плата, 3 мм, 4 контакт(-ов); ki_fp_filters: Connector*:*_2x??_*
